# Allegro board RUBUS_20173009.brd (continued)
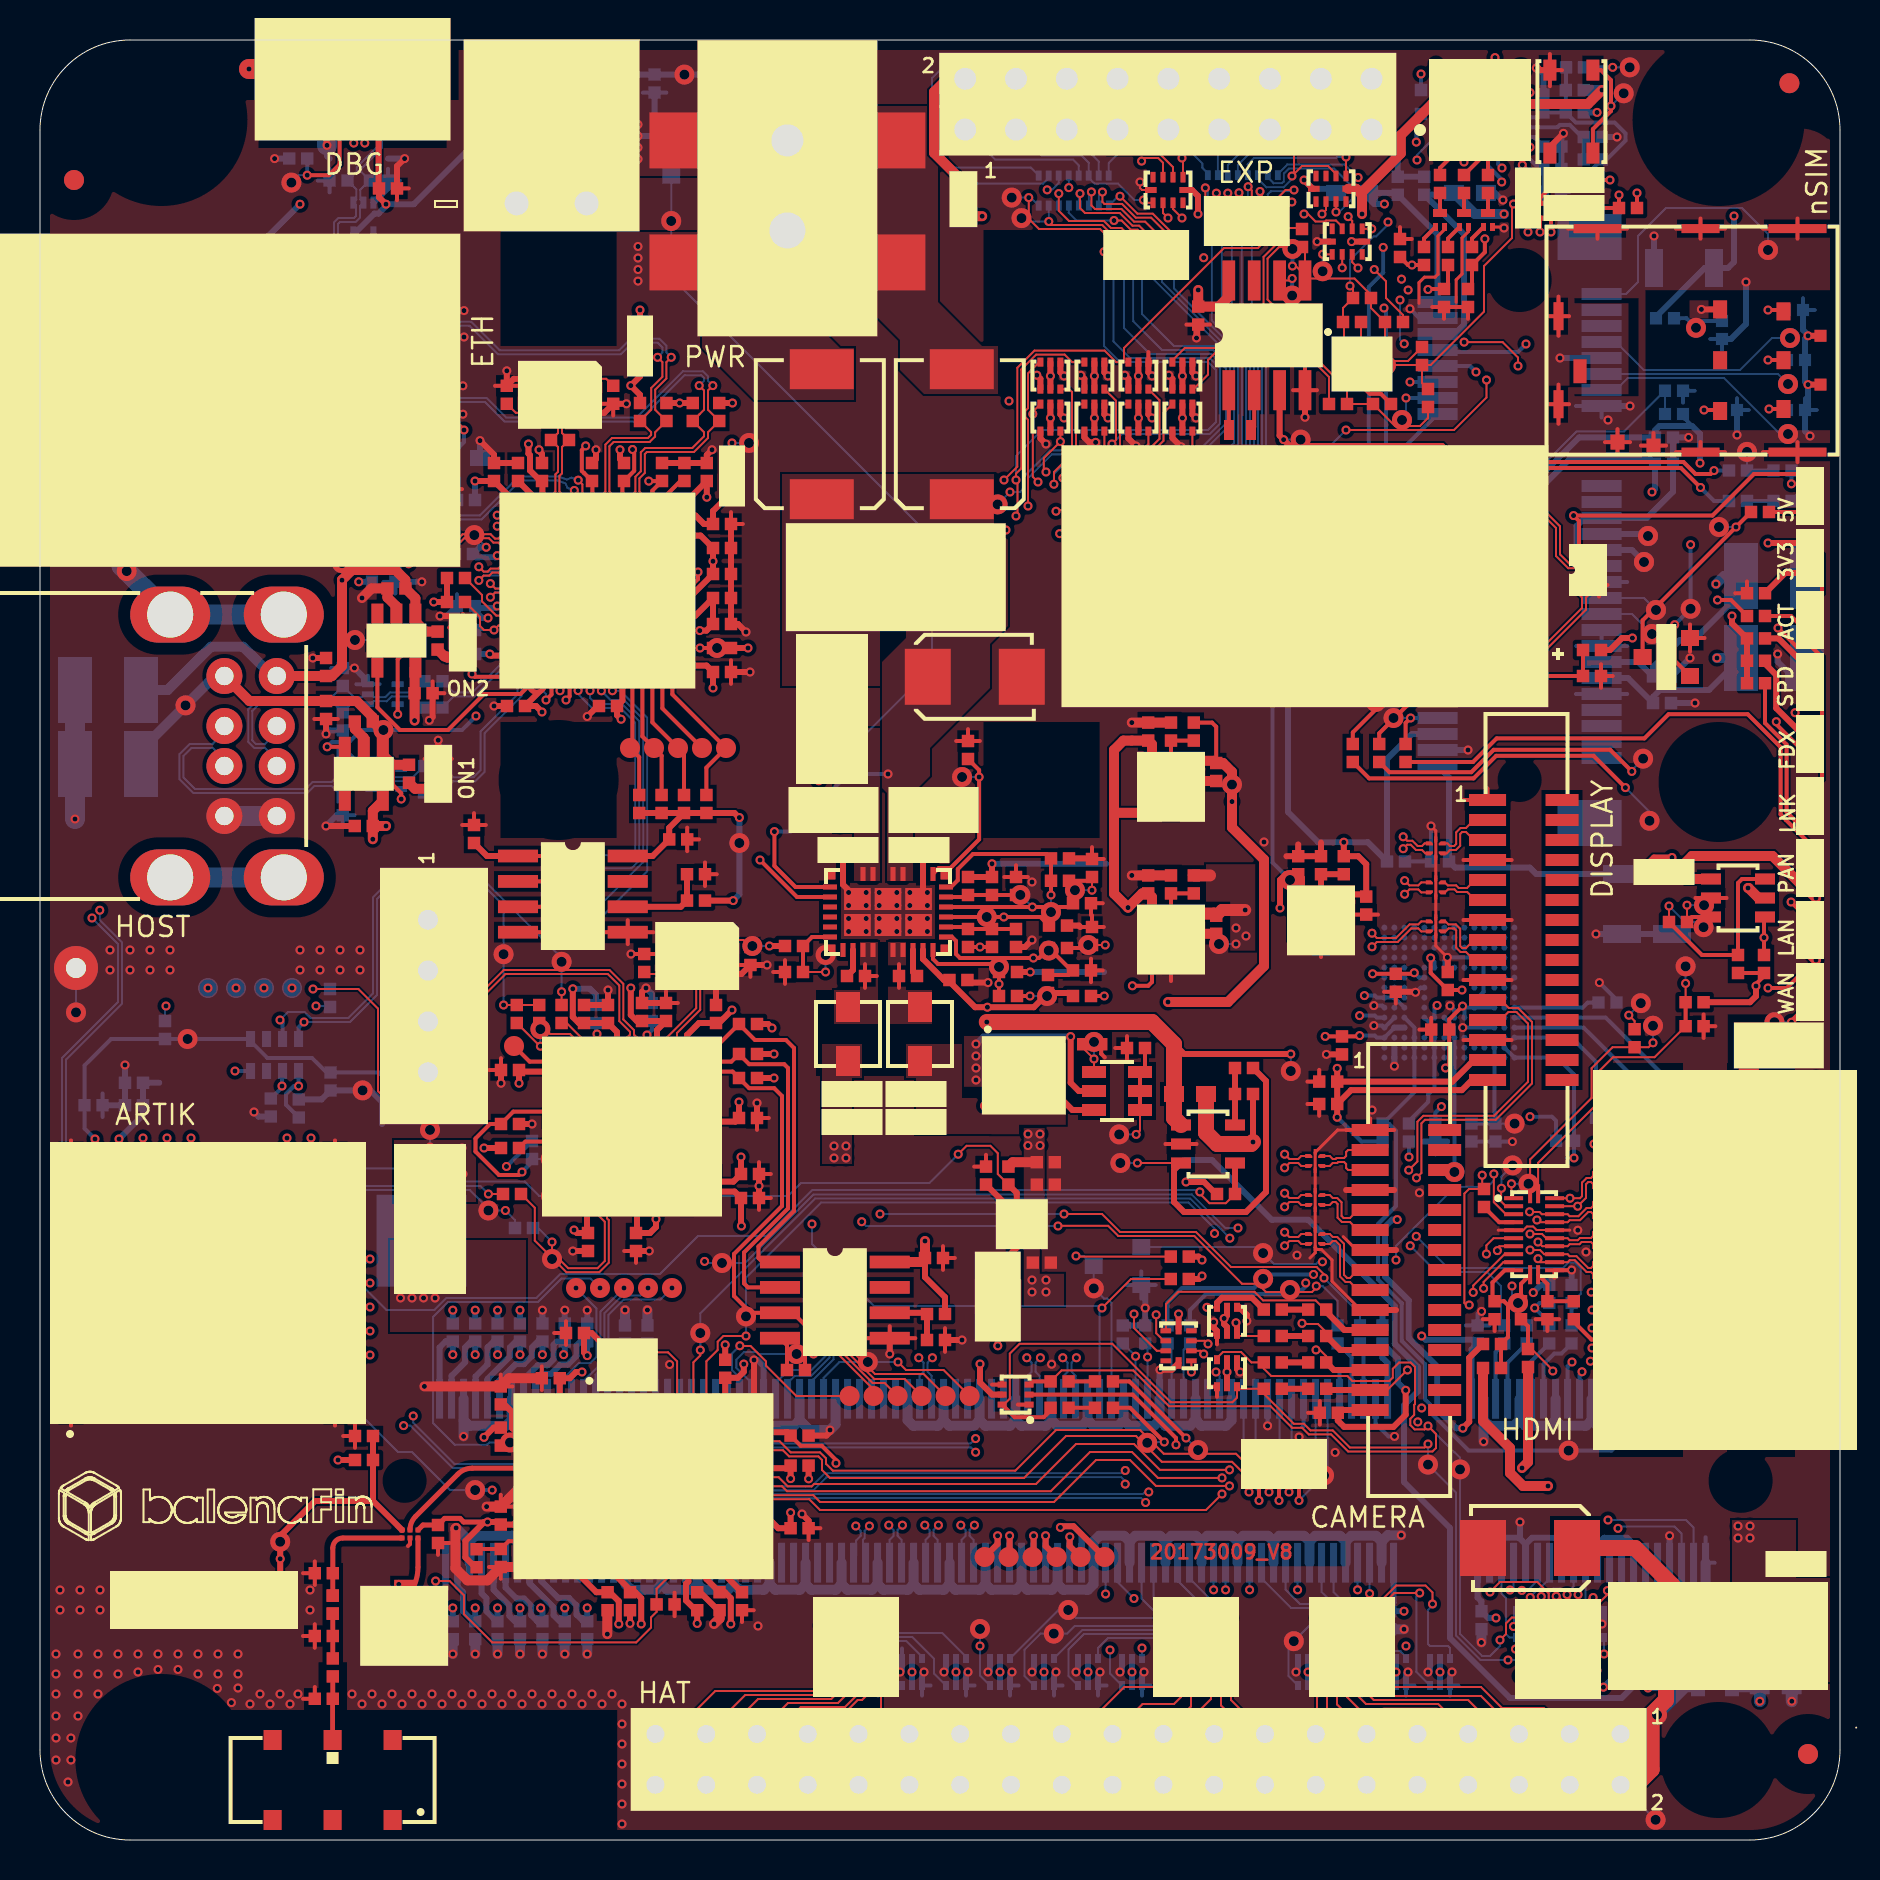
[diagram p0: board, top side]
## Routing (per net, layer and track width the routed paths; a pad name or vN(x,y) marks a point on that pad's centre or on a via; arc(x,y) is an arc through that point) (continued)
  BOTTOM w0.3: 50.7,7.72 50.7,8.3 v1(50.8,8.4) ; v1(20,61.2) 20.35,61.2 C171.1 C187.1 C183.1 ; TVS3.3 16.15,53.55 v1(15.9,53.8) 15.34,54.36 C69.2 ; v1(10.7,36.4) 10.93,36.17 R132.2 ; C156.2 v1(84.85,70.25) ; 77.88,14.79 78.2,15.11 79.36,15.11 79.68,14.79 J2.13 ; 77.88,14.79 J2.19 ; 77.88,14.79 77.56,15.11 76.4,15.11 76.08,14.79 ; v1(86.88,59.3) 86.88,58.92 87.4,58.4 87.4,57.7 ; v1(53,8.4) 52.9,8.3 52.9,7.72 ; 44.1,7.72 44.1,8.3 v1(44.2,8.4) ; C122.1 v1(82.75,56.85) ; v1(55.2,8.4) 55.1,8.3 55.1,7.72 ; v1(65,8.4) 65.1,8.5 DS13.1 ; v1(74.66,27.37) 75.04,27.75 R10.1 ; v1(76.17,85.33) 76.07,85.23 R231.1 R232.1 ; v1(73.67,10.68) 73.8,10.8 DS17.4 ; v1(77.1,10.8) 77,10.7 DS16.1 ; 63.9,7.72 63.9,8.3 v1(64,8.4) ; v1(35.7,24) 35.88,24 36.18,23.7 J2.146 ; C24.2 v1(21.76,26.49) ; DS20.1 49.7,8.5 v1(49.6,8.4) ; v1(47.4,8.4) 47.5,8.5 DS21.4 ; DS23.1 43.1,8.5 v1(43,8.4) ; C209.2 C208.2 v1(77.8,45.3) ; R32.1 30.73,85.94 31.47,85.2 ; C87.2 17.4,82.6 TVS5.3 ; C18.2 v1(25.12,26.49) ; 41.9,7.72 41.9,8.3 v1(42,8.4) ; C136.2 v1(21.2,76.47) ; 68.3,7.72 68.3,8.3 v1(68.4,8.4) ; 14.48,84.07 14.35,84.2 v1(14.35,84.73) ; DS16.4 76,10.9 75.8,10.7 v1(74.9,10.7) 74.9,10.7 74.8,10.6 DS17.1 ; v1(14.3,55.3) 14.48,55.48 C77.2 ; C138.2 v1(21.14,72.71) ; C207.2 v1(80.7,80.2) ; v1(51.8,8.4) 51.9,8.5 DS19.1 ; R140.1 70.36,34.92 ; R140.1 69.77,34.33 ; R140.1 69.18,34.92 ; Q1.2 55.26,27.55 v1(55.26,26.6) R18.1 54.9,25.73 54.9,25.73 54.5,25.73 54.5,25.73 R20.1 ; C85.2 v1(19.09,62.91) ; J2.164 30.78,23.98 ; C22.2 v1(22.88,26.49) ; C116.1 64.6,82.56 63.64,82.56 v1(63.2,83) ; J19.29 J19.27 77.23,63.7 76.83,64.1 76.83,65.7 77.23,66.1 J19.21 80.33,66.1 81.65,67.42 C120.2 C119.2 v1(82.43,70.13) ; R193.1 30.6,42.3 v1(30.3,42.6) ; 74.28,14.79 74.6,15.11 75.76,15.11 76.08,14.79 ; 74.28,14.79 73.96,15.11 ; 74.28,14.79 J2.31 ; C16.2 v1(26.24,26.49) ; C117.2 C118.2 67.89,84.21 J14.17 ; 81.18,23.38 J2.8 ; v1(78.99,7.79) 79.2,8 DS15.4 ; v1(48.6,8.4) 48.5,8.3 48.5,7.72 ; v1(4.25,38.75) C93.2 C92.2 C91.2 ; v1(66.2,8.4) 66.1,8.3 66.1,7.72 ; v1(46.4,8.4) 46.3,8.3 46.3,7.72 ; v1(54,8.4) 54.1,8.5 DS18.4 ; R189.1 84.55,75.05 85.3,75.8 v1(85.3,77.9) ; C20.2 v1(24,26.49) ; Q3.2 31.47,85.2 ; 31.47,85.2 v1(29.9,85.2) ; C68.2 14.84,51.24 v1(14.3,50.7) ; U13.3 v1(16.76,66.56) ; v1(70.46,85.64) U25.6 72.41,85.64 U25.17 ; DS11.4 69.5,8.5 v1(69.4,8.4) ; J2.80 55.98,23.49 v1(56,23.51) ; 17.4,84.07 v1(18.23,84.07) ; DS15.1 78.2,10.9 v1(78.1,10.8) ; C26.2 v1(20.64,26.49) ; R7.1 v1(76.58,28.5) ; v1(82.5,59.1) 81.57,58.17 C121.1 ; v1(73.15,82) 73.1,82 72.75,82.36 C115.1 ; v1(74.82,88.6) 74.9,88.6 75.17,88.33 C204.2 ; v1(40.8,8.4) 40.9,8.5 DS24.1 ; v1(88.5,70.2) 88.25,70.45 C155.2 88.4,71.65 v1(88.4,72.77) 88.25,72.92 C154.2 88.25,75.06 v1(88.4,75.21) 88.4,75.26 88.15,75.51 C153.2 ; C139.2 v1(21.14,71.29) ; 73.96,15.11 72.8,15.11 72.48,14.79 J2.37 ; 73.96,15.11 74,15.15 v1(74,15.9) ; v1(67.2,8.4) 67.3,8.5 DS12.1 ; 70.5,7.72 70.5,8.3 v1(70.6,8.4) ; 76.08,14.79 J2.25 ; C137.2 v1(21.2,75.15) ; TVS4.3 16.19,57.99 16.19,58.12 v1(15.72,58.6) ; U17.N2 U17.N1 v1(67.72,38.69) ; U13.8 v1(18.58,65.02) ; C7.2 67.12,26.46 ; Q6.2 12.21,66.57 R116.1 v1(11.64,66.8) ; DS14.1 62.9,8.5 v1(62.8,8.4) ; R229.1 v1(78.85,85.15) ; R153.1 v1(11.73,84.07) ; J2.7 v1(81.48,15.21) ; J19.9 v1(76,74.1) ; DS22.1 45.3,8.5 v1(45.2,8.4) ; C135.2 v1(22,69.97) ; C14.2 v1(27.36,26.49) ; J19.50 v1(71.4,54.5) ; J19.15 v1(79.5,71.7) ; C170.1 v1(20,64.3)
  BOTTOM w0.5: J2.122 43.38,20.99 43.66,20.71 44.9,20.71 45.18,20.99 ; J2.115 45.48,12.79 ; 45.48,12.79 45.2,12.51 43.96,12.51 43.68,12.79 ; 45.48,12.79 45.76,12.51 47,12.51 47.28,12.79 ; J2.98 50.58,20.99 ; 50.58,20.99 50.3,20.71 49.06,20.71 48.78,20.99 ; 50.58,20.99 50.86,20.71 52.1,20.71 52.38,20.99 ; J2.188 23.58,20.99 ; 23.58,20.99 23.3,20.71 21.46,20.71 21.18,20.99 ; 23.58,20.99 23.86,20.71 25.1,20.71 25.38,20.99 J2.182 ; J2.14 79.38,20.99 79.1,20.71 77.86,20.71 77.58,20.99 ; 38.28,12.79 38,12.51 36.76,12.51 36.48,12.79 ; 38.28,12.79 J2.139 ; 38.28,12.79 38.56,12.51 39.8,12.51 40.08,12.79 ; J2.163 31.08,12.79 ; 31.08,12.79 30.8,12.51 29.56,12.51 29.28,12.79 J2.169 ; 31.08,12.79 31.36,12.51 32.6,12.51 32.88,12.79 ; 72.18,20.99 J2.38 ; 72.18,20.99 v1(72.18,19.92) ; 72.18,20.99 72.46,20.71 73.7,20.71 73.98,20.99 ; C13.1 v1(27.36,9.3) ; 46.98,20.99 47.26,20.71 48.5,20.71 48.78,20.99 ; 46.98,20.99 46.7,20.71 45.46,20.71 45.18,20.99 ; 46.98,20.99 J2.110 ; 41.88,12.79 41.6,12.51 40.36,12.51 40.08,12.79 ; 41.88,12.79 J2.127 ; 41.88,12.79 42.16,12.51 43.4,12.51 43.68,12.79 ; J2.103 49.08,12.79 ; 49.08,12.79 48.8,12.51 47.56,12.51 47.28,12.79 ; 49.08,12.79 49.36,12.51 50.6,12.51 50.88,12.79 ; 61.68,14.93 61.96,15.21 63.2,15.21 63.48,14.93 ; 61.68,14.93 J2.61 ; 61.68,14.93 61.4,15.21 60.16,15.21 59.88,14.93 ; 57.78,20.99 57.74,20.95 57.7,20.95 57.7,20.91 57.5,20.71 56.26,20.71 55.98,20.99 ; 57.78,20.99 J2.74 ; 57.78,20.99 57.82,20.95 57.85,20.95 57.85,20.91 58.06,20.71 59.3,20.71 59.58,20.99 J2.68 ; 59.88,14.93 59.6,15.21 58.36,15.21 58.08,14.93 ; 59.88,14.93 J2.67 ; 37.98,20.99 37.7,20.71 36.46,20.71 36.18,20.99 ; 37.98,20.99 J2.140 ; 37.98,20.99 38.47,20.5 v1(39.5,20.5) 39.78,20.78 J2.134 ; 75.78,20.99 76.06,20.71 77.3,20.71 77.58,20.99 ; 75.78,20.99 75.5,20.71 74.26,20.71 73.98,20.99 ; 75.78,20.99 J2.26 ; 21.48,14.93 v1(20.81,15.61) ; 21.48,14.93 21.76,15.21 23.6,15.21 23.88,14.93 ; 21.48,14.93 J2.195 ; v1(83.4,12.5) 83.28,12.62 J2.1 ; J2.104 48.78,20.99 ; 54.18,20.99 54.46,20.71 55.7,20.71 55.98,20.99 ; 54.18,20.99 53.9,20.71 52.66,20.71 52.38,20.99 ; 54.18,20.99 J2.86 ; 36.18,20.99 35.9,20.71 34.66,20.71 34.38,20.99 J2.152 ; 36.18,20.99 J2.146 ; 34.68,12.79 34.96,12.51 36.2,12.51 36.48,12.79 ; 34.68,12.79 34.4,12.51 33.16,12.51 32.88,12.79 ; 34.68,12.79 J2.151 ; 45.18,20.99 J2.116 ; 43.68,12.79 J2.121 ; 40.08,12.79 J2.133 ; 47.28,12.79 J2.109 ; C15.1 v1(26.24,9.3) ; J2.170 28.98,20.99 29.26,20.71 30.5,20.71 30.78,20.99 J2.164 ; 32.88,12.79 J2.157 ; J2.85 54.48,14.93 ; 54.48,14.93 54.2,15.21 52.96,15.21 52.68,14.93 J2.91 52.68,12.79 52.4,12.51 51.16,12.51 50.88,12.79 ; 54.48,14.93 54.76,15.21 56,15.21 56.28,14.93 ; R28.2 v1(30.37,26.5) ; 67.08,14.93 66.8,15.21 65.56,15.21 65.28,14.93 ; 67.08,14.93 67.39,15.24 v1(68.06,15.24) ; 67.08,14.93 J2.43 ; 21.18,20.99 v1(21.18,20.18) ; 21.18,20.99 J2.196 ; C25.1 v1(20.64,9.3) ; 56.28,14.93 56.56,15.21 57.8,15.21 58.08,14.93 ; 56.28,14.93 J2.79 ; 52.38,20.99 J2.92 ; J2.55 63.48,14.93 ; 63.48,14.93 63.76,15.21 65,15.21 65.28,14.93 ; C1.2 C2.2 81.75,26.1 v1(82.18,26.53) ; 77.58,20.99 J2.20 ; C21.1 v1(22.88,9.3) ; J2.97 50.88,12.79 ; 58.08,14.93 J2.73 ; 73.98,20.99 J2.32 ; 36.48,12.79 J2.145 ; 65.28,14.93 J2.49 ; 55.98,20.99 J2.80 ; 23.88,14.93 24.16,15.21 25.4,15.21 25.68,14.93 J2.181 ; 23.88,14.93 J2.187 ; C4.1 v1(72.07,9.88) ; C23.1 v1(21.76,9.3) ; C6.1 v1(68.2,10.54) ; C17.1 v1(25.12,9.3) ; C19.1 v1(24,9.3) ; R29.2 v1(29.25,26.5)
  BOTTOM w0.6: v1(87.59,6.94) C113.2
  BOTTOM w1: C232.2 C234.2 v1(1.75,51.05) ; C71.1 R96.1 4.08,68.52 3.1,69.5 C134.1 v1(4.7,70.3) ; J11.8 J11.4 ; C89.1 R117.1 v1(14.35,84.73)
  vias: v1(0.8,9.3) v1(0.8,8.3) v1(0.8,7.3) v1(0.8,6.2) v1(0.8,5.1) v1(0.8,4) v1(1,12.5) v1(1,11.5) v1(1.4,2.9) v1(1.55,5.1) v1(1.55,4) v1(1.9,9.3) v1(1.9,8.3) v1(1.9,7.3) v1(1.9,6.2) v1(2,12.5) v1(2,11.5) v1(2.9,9.3) v1(2.9,8.3) v1(2.9,7.3) v1(3,12.5) v1(3,11.5) v1(3.5,44.5) v1(3.5,43.5) v1(3.9,9.3) v1(3.9,8.3) v1(4.5,44.5) v1(4.5,43.5) v1(4.9,9.3) v1(4.9,8.4) v1(5.5,44.5) v1(5.5,43.5) v1(5.9,9.3) v1(5.9,8.53) v1(6,12.5) v1(6,11.5) v1(6.5,44.5) v1(6.5,43.5) v1(6.9,9.3) v1(6.9,8.53) v1(7,12.5) v1(7,11.5) v1(7.9,9.3) v1(7.9,8.3) v1(8,12.5) v1(8,11.5) v1(8.9,9.3) v1(8.9,8.3) v1(8.86,7.58) v1(9,12.5) v1(9,11.5) v1(9.57,6.87) v1(9.9,9.3) v1(9.9,8.3) v1(9.9,7.6) v1(10.5,12.5) v1(10.5,11.5) v1(10.5,6.8) v1(11,7.3) v1(11.5,6.8) v1(12,7.3) v1(12.5,6.8) v1(12.9,7.3) v1(13,44.5) v1(13,43.5) v1(13.5,12.5) v1(13.5,11.5) v1(14,44.5) v1(14,43.5) v1(15,44.5) v1(15,43.5) v1(15.6,7.3) v1(16,44.5) v1(16,43.5) v1(16.1,6.8) v1(16.6,7.3) v1(17.1,6.8) v1(17.6,7.3) v1(18.1,6.8) v1(18.6,7.3) v1(19.1,6.8) v1(19.6,7.3) v1(20.1,6.8) v1(20.6,7.3) v1(21.1,6.8) v1(21.6,7.3) v1(22.1,6.8) v1(22.6,7.3) v1(23.1,6.8) v1(23.6,7.3) v1(24.1,6.8) v1(24.3,20.6) v1(24.45,65.89) v1(24.45,64.52) v1(24.45,63.15) v1(24.45,61.79) v1(24.45,60.42) v1(24.45,59.05) v1(24.6,7.3) v1(25.1,6.8) v1(25.6,7.3) v1(25.82,65.89) v1(25.82,64.52) v1(25.82,63.15) v1(25.82,61.79) v1(25.82,60.42) v1(25.82,59.05) v1(26.1,6.8) v1(26.6,7.3) v1(27.1,6.8) v1(27.19,65.89) v1(27.19,64.52) v1(27.19,63.15) v1(27.19,61.79) v1(27.19,60.42) v1(27.19,59.05) v1(27.3,19.2) v1(27.3,18.2) v1(27.3,17.2) v1(27.3,16.2) v1(27.6,7.3) v1(28.1,6.8) v1(28.55,65.89) v1(28.55,64.52) v1(28.55,60.42) v1(28.55,59.05) v1(28.6,7.3) v1(29.1,6.8) v1(29.1,5.8) v1(29.1,4.8) v1(29.1,3.8) v1(29.1,2.8) v1(29.1,1.8) v1(29.1,0.8) v1(29.7,19.2) v1(29.7,18.2) v1(29.7,17.2) v1(29.7,16.2) v1(29.9,85.78) v1(29.9,84.62) v1(29.9,84.05) v1(29.9,79.68) v1(29.9,79.1) v1(29.9,78.52) v1(29.9,77.95) v1(29.92,65.89) v1(29.92,64.52) v1(29.92,63.15) v1(29.92,61.79) v1(29.92,59.05) v1(30.7,19.2) v1(30.7,18.2) v1(30.7,17.2) v1(31.29,65.89) v1(31.29,64.52) v1(31.29,63.15) v1(31.29,61.79) v1(31.29,60.42) v1(31.29,59.05) v1(31.48,23.77) v1(33,19.2) v1(33,18.2) v1(33,16.2) v1(35.9,10.7) v1(40.43,47.38) v1(40.43,46.73) v1(40.43,46.08) v1(40.43,45.42) v1(41.31,47.38) v1(41.31,46.73) v1(41.31,46.08) v1(41.31,45.42) v1(41.96,47.38) v1(41.96,46.73) v1(41.96,46.08) v1(41.96,45.42) v1(42.84,47.38) v1(42.84,46.73) v1(42.84,46.08) v1(42.84,45.42) v1(43.49,47.38) v1(43.49,46.73) v1(43.49,46.08) v1(43.49,45.42) v1(44.37,47.38) v1(44.37,46.73) v1(44.37,46.08) v1(44.37,45.42) v1(49.6,47.9) v1(50.58,23.79) v1(61.2,49.9) v1(62.85,29.24) v1(64.75,19.38) v1(66.6,36.5) v1(68.97,32.36) v1(72.08,26.43) v1(76.89,30.49) v1(77.3,29.4) v1(78.4,71) v1(88.75,33.5) v1(88.75,23.95) v3(26.98,38.29) v3(26.98,36.54) v3(26.98,34.8) v3(26.98,33.05) v3(28.73,38.29) v3(28.73,34.8) v3(28.73,33.05) v3(30.47,38.29) v3(30.47,36.54) v3(30.47,33.05) v3(32.22,38.29) v3(32.22,36.54) v3(32.22,34.8)
VDDM: length 6
  BOTTOM w0.1: v2(73.73,35.82) C107.2
  BOTTOM w0.2: C108.2 C107.2 72.77,36.36 72.72,36.41 U17.C1 U17.C2
VIN_CON: length 2.6
  BOTTOM w0.1: J21.1 v2(27.33,84.4)
+VALIM: length 11.8
  TOP w0.2: v1(36.72,50.42) 36.72,48.7 37.77,47.65 U27.11
  BOTTOM w0.2: v1(36.72,50.42) 37.52,50.42 v2(38.67,51.57) 40.4,53.3 v1(42.4,53.3)
ARTIK-RX_FTDI-TX: length 64.1
  TOP w0.1: v1(64.2,28.1) 64.2,28.28 63.83,28.65 59.55,28.65 57.8,30.4 54,30.4 53.1,31.3 v1(51.2,31.3) ; MOD2.23 v1(11.15,31.95)
  INT1 w0.1: v1(23.27,31.48) 23.27,30.93 26.2,28 37.48,28 39.88,30.4 41.1,30.4 v1(42,31.3)
  BOTTOM w0.1: v1(11.15,31.95) 11.7,32.5 21.49,32.5 22.42,31.57 v2(22.42,31.48) v1(23.27,31.48) 23.75,31 R291.2 ; v1(42,31.3) v1(51.2,31.3) ; v1(64.2,28.1) 66,26.3 R14.2
ARTIK-TX_FTDI-RX: length 64.8
  TOP w0.1: MOD2.24 v1(9.95,31.95) ; v1(63.81,27.7) 63.81,27.61 63.6,27.4 61.3,27.4 60.89,27.81 60.11,27.81 57.72,30.2 53.92,30.2 53.41,30.71 50.91,30.71 v1(50.9,30.7) ; R238.2 v1(22.42,32.3)
  INT1 w0.1: v1(22.42,32.3) 23.1,32.3 23.65,31.75 23.65,30.84 26.28,28.2 37.4,28.2 40.1,30.9 41.07,30.9 v1(41.08,30.92)
  BOTTOM w0.1: v1(63.81,27.7) 64.13,27.7 64.88,26.95 R15.2 ; v1(9.95,31.95) v2(9.95,32.8) 10.05,32.7 22.02,32.7 v1(22.42,32.3) ; v1(41.08,30.92) 41.3,30.7 v1(50.9,30.7)
BT_PCM_CLK: length 59.8
  TOP w0.1: v1(35.3,25.2) 34.17,25.2 33.88,24.92 33.88,24.5 33.32,23.94 MOD1.C1
  INT2 w0.1: v1(58.73,30.33) 58.73,30.53 61.3,33.1 67.68,33.1 68.5,32.28 68.5,30.5 v1(68.81,30.18)
  BOTTOM w0.1: v1(58.73,30.33) 58.73,30.57 57.42,31.88 39.06,31.88 35.3,28.12 v2(35.3,26.18) v1(35.3,25.2) ; R7.2 77.04,27.31 77.04,28.57 76.74,28.88 76.42,28.88 76.15,28.6 70.4,28.6 v1(68.81,30.18)
  BOTTOM w0.2: R8.2 R7.2
BT_PCM_IN: length 55.8
  TOP w0.1: v1(33.02,24.5) 33.02,24.23 32.67,23.88 32.67,21.54 MOD1.D1
  INT2 w0.1: v1(68.51,29.71) 68.3,29.92 68.3,32.2 67.6,32.9 61.38,32.9 59.49,31.01 v1(59.49,30.09)
  BOTTOM w0.1: v1(59.49,30.09) 57.51,32.08 38.76,32.08 33.02,26.33 v2(33.02,25.35) v1(33.02,24.5) ; v1(68.51,29.71) 69.82,28.4 72.35,28.4 73.05,27.7 73.05,27.18 73.05,25.9 R12.2
BT_PCM_OUT: length 58.4
  TOP w0.1: MOD1.C2 33.32,20.24 v1(32.89,19.82)
  INT1 w0.1: v1(73.6,27.7) 73.6,26.83 68.7,21.93 68.7,21.09 v1(68.89,20.9)
  INT2 w0.1: v1(32.89,19.82) 32.89,20.69 33.1,20.9 36.5,20.9 39.3,18.1 39.3,15.91 41.98,13.22 52.05,13.22 52.53,13.7 64.85,13.7 68.7,17.55 68.7,20.6 68.89,20.79 v1(68.89,20.9)
  BOTTOM w0.1: v1(73.6,27.7) 73.6,27.15 v2(73.9,26.85) 73.9,26.17 R11.2
BT_PCM_SYNC: length 59.2
  TOP w0.1: v1(31.91,19.82) 32.22,19.82 32.42,20.02 MOD1.D2
  INT1 w0.1: v1(69.08,21.6) 69.08,22.03 73.65,26.6 v1(74.74,26.6)
  INT2 w0.1: v1(31.91,19.82) 31.91,20.82 32.2,21.1 36.58,21.1 39.5,18.18 39.5,15.99 42.07,13.42 51.97,13.42 52.44,13.9 64.77,13.9 68.5,17.63 68.5,21.2 68.9,21.6 v1(69.08,21.6)
  BOTTOM w0.2: R9.2 75.46,25.88 v1(74.74,26.6) 74.99,26.85 R10.2
CAM1_CK+_EXT: length 4.4
  TOP w0.1: J10.9 65.9,27.5 65.5,27.9 65.28,27.9 65,28.18 65,29.73 64.78,29.95 64.64,29.95 64.49,29.8 L13.1
CAM1_CK-_EXT: length 4.4
  TOP w0.1: J10.8 65.9,28.5 65.5,28.1 65.36,28.1 65.2,28.26 65.2,29.81 64.86,30.15 64.64,30.15 64.49,30.3 L13.2
CAM1_CN: length 41.6
  TOP w0.1: v1(62.23,30.39) 62.47,30.15 62.91,30.15 63.06,30.3 L13.3
  INT1 w0.1: v1(62.23,30.39) 61.99,30.15 61.77,30.15 61.55,29.93 61.55,28.6 62.15,28 62.15,22.93 56.42,17.2 55.64,17.2 v1(55.44,17.4)
  BOTTOM w0.1: v1(55.44,17.4) 55.24,17.4 55.14,17.3 38.77,17.3 38.75,17.28 36.54,17.28 35.48,16.22 35.48,15.21 35.28,15.01 J2.149
CAM1_CP: length 41.2
  TOP w0.1: v1(62.23,29.71) 62.47,29.95 62.91,29.95 63.06,29.8 L13.4
  INT1 w0.1: v1(62.23,29.71) 61.99,29.95 61.85,29.95 61.75,29.85 61.75,28.68 62.35,28.08 62.35,22.85 56.5,17 55.41,17 v1(55.28,16.88)
  BOTTOM w0.1: J2.147 35.88,15.01 35.68,15.21 35.68,16.14 36.62,17.08 38.83,17.08 38.85,17.1 55.05,17.1 v1(55.28,16.88)
CAM1_D0+_EXT: length 2.8
  TOP w0.1: L11.1 64.49,33.7 64.64,33.85 64.86,33.85 64.91,33.9 65.21,33.9 65.31,33.8 65.31,33.6 65.41,33.5 J10.3
CAM1_D0-_EXT: length 2.8
  TOP w0.1: J10.2 65.41,34.5 65.31,34.4 65.31,34.2 65.21,34.1 64.83,34.1 64.78,34.05 64.64,34.05 64.49,34.2 L11.2
CAM1_D1+_EXT: length 3.5
  TOP w0.1: L12.1 64.49,31.75 64.64,31.9 64.78,31.9 64.88,31.8 64.88,31.12 65.1,30.9 65.5,30.9 65.9,30.5 J10.6
CAM1_D1-_EXT: length 3.5
  TOP w0.1: L12.2 64.49,32.25 64.64,32.1 64.86,32.1 65.08,31.88 65.08,31.2 65.18,31.1 65.5,31.1 65.9,31.5 J10.5
CAM1_DN0: length 45.4
  TOP w0.1: L11.3 63.06,34.2 62.91,34.05 62.47,34.05 v1(62.23,34.29)
  INT1 w0.1: v1(62.23,34.29) 61.99,34.05 61.07,34.05 53.8,26.78 53.8,25.4 53.4,25 53.4,22.22 51.56,20.38 47.49,20.38 47.18,20.07 v1(46.78,20.07)
  BOTTOM w0.1: v1(46.78,20.07) 46.54,19.83 34.53,19.83 33.52,18.82 32.24,18.82 31.88,18.46 31.88,15.21 31.68,15.01 J2.161
CAM1_DN1: length 45.2
  TOP w0.1: v1(62.23,32.34) 62.47,32.1 62.91,32.1 63.06,32.25 L12.3
  INT1 w0.1: v1(54.26,18.48) 54.54,18.2 56.46,18.2 61.3,23.04 61.3,27.62 60.6,28.32 60.6,31.5 61.2,32.1 61.99,32.1 v1(62.23,32.34)
  BOTTOM w0.1: v1(54.26,18.48) 54.13,18.34 39.24,18.34 38.59,17.68 38.27,17.68 38.27,17.68 35.12,17.68 33.68,16.24 33.68,15.21 33.48,15.01 J2.155
CAM1_DP0: length 45.3
  TOP w0.1: L11.4 63.06,33.7 62.91,33.85 62.47,33.85 v1(62.23,33.61)
  INT1 w0.1: v1(62.23,33.61) 61.99,33.85 61.15,33.85 54,26.7 54,25.32 53.6,24.92 53.6,22.14 51.64,20.18 47.57,20.18 v1(46.78,19.39)
  BOTTOM w0.1: J2.159 32.28,15.01 32.08,15.21 32.08,18.38 32.33,18.62 33.61,18.62 34.61,19.63 46.54,19.63 v1(46.78,19.39)
CAM1_DP1: length 45
  TOP w0.1: L12.4 63.06,31.75 62.91,31.9 62.47,31.9 v1(62.23,31.66)
  INT1 w0.1: v1(54.26,17.8) 54.47,18 56.54,18 61.5,22.96 61.5,27.7 60.8,28.4 60.8,31.42 61.28,31.9 61.99,31.9 v1(62.23,31.66)
  BOTTOM w0.1: v1(54.26,17.8) 54.26,17.95 54.07,18.14 39.33,18.14 38.67,17.48 35.2,17.48 33.88,16.16 33.88,15.21 34.08,15.01 J2.153
CAM1_IO0: length 10.3
  TOP w0.1: v1(58.35,26.64) DS4.3
  TOP w0.3: R82.2 60.6,27.11 59.1,27.11 58.85,26.86 DS4.3
  INT1 w0.1: v1(58.35,26.64) 58.35,26.55 57.2,25.4 56.63,25.4 v1(55.38,24.15)
  BOTTOM w0.1: R18.2 55.38,24.71 v1(55.38,24.15) J2.82
CAM1_IO0_EXT: length 12.7
  TOP w0.1: R81.1 64.24,26.52 63.78,26.98 61.15,26.98 60.72,27.41 56.91,27.41 56.3,26.8 56.3,25.47 TVS2.1
  TOP w0.3: J10.11 65.22,25.5 64.31,26.41 R81.1
CAM1_IO1: length 11.1
  TOP w0.1: R84.2 59.94,25.2 DS4.6
  TOP w0.3: DS4.6 59.85,25.75 59.8,25.8 v1(59.8,25.86)
  INT1 w0.1: v1(59.8,25.86) 59.8,25.8 59.5,25.5 57.7,25.5 57.3,25.1 56.86,25.1 55.54,23.77 55.22,23.77 54.81,24.19 v1(54.78,24.19)
  BOTTOM w0.1: J2.84 v1(54.78,24.19) R20.2
CAM1_IO1_EXT: length 14.5
  TOP w0.1: v1(55.81,26.26) 55.81,25.34 56.19,24.96 TVS2.2 ; R83.1 64.31,25.39 63.9,25.8 63.1,25.8 v1(63.1,25.84)
  TOP w0.3: R83.1 65.01,24.5 J10.12
  INT2 w0.1: v1(55.81,26.26) 55.89,26.26 56.8,27.18 62.74,27.18 63.1,26.82 v1(63.1,25.84)
CAM1_SCL_EXT: length 18.1
  TOP w0.1: TVS2.3 55.84,24.46 54.7,25.6 v1(54.7,26.3) ; R85.1 64.31,24.19 64,24.5 63.8,24.5 v1(63.8,24.5)
  TOP w0.3: J10.13 64.69,23.5 R85.1
  INT2 w0.1: v1(54.7,26.3) 54.7,26.6 55.48,27.38 62.83,27.38 63.8,26.4 v1(63.8,24.5)
CAM1_SDA_EXT: length 27.1
  TOP w0.1: J10.14 67.36,22.5 68.36,23.5 v1(68.38,23.5) ; TVS2.6 v1(57.57,23.4)
  TOP w0.3: R87.1 64.37,22.5 J10.14
  INT2 w0.1: v1(57.57,23.4) 56.7,23.4 54.33,25.77 54.33,26.51 55.52,27.7 62.9,27.7 63.8,26.8 66.5,26.8 68.38,24.93 v1(68.38,23.5)
D+_DBG: length 11.9
  TOP w0.1: v1(15.69,84.85) 15.78,84.94 15.78,85.72 J13.3
  BOTTOM w0.1: R115.2 14.9,79.67 14.9,80.8 15,80.9 15.78,80.9 16,81.12 16,81.7 TVS5.2 16.01,82.03 16.01,82.51 16.47,82.97 C87.1 16.06,83.41 16.06,83.56 17.01,84.51 17.01,84.53 17.1,84.62 17.1,85.58 16.78,85.9 16.2,85.9 15.85,85.55 15.85,85.01 v1(15.69,84.85)
D+_HOST1: length 17.2
  BOTTOM w0.1: J11.3 9.22,54.02 8.64,54.6 7.57,54.6 7.17,54.2 7.17,53.13 7.75,52.55 13.28,52.55 13.63,52.9 14.58,52.9 C69.1 15.7,52.9 16.27,52.9 16.42,53.05 TVS3.2 16.72,53.05 16.87,52.9 17.37,52.9 17.61,53.14 18.64,53.14 R91.2
D+_HOST2: length 13.7
  BOTTOM w0.1: R109.2 18.66,57.38 17.5,57.38 17.26,57.14 16.69,57.14 16.54,57.29 TVS4.2 16.25,57.29 16.1,57.14 15.7,57.14 C78.1 14.58,57.14 11.02,57.14 10.41,56.53 10.41,54.91 10.72,54.6 11.26,54.6 11.84,54.02 J11.7
D-_DBG: length 11.2
  TOP w0.1: v1(16.24,84.85) 16.13,84.96 16.13,85.72 J13.2
  BOTTOM w0.1: v1(16.24,84.85) 16.05,85.04 16.05,85.47 16.28,85.7 16.7,85.7 16.9,85.5 16.9,84.7 15.84,83.64 15.84,83.43 C86.1 15.81,82.54 15.81,82.01 TVS5.1 15.8,81.74 15.8,81.2 15.7,81.1 14.92,81.1 14.7,80.88 14.7,79.67 R114.2
D-_HOST1: length 17.8
  BOTTOM w0.1: J11.2 9.22,55.39 8.63,54.8 7.49,54.8 6.97,54.28 6.97,53.05 7.67,52.35 13.36,52.35 13.71,52.7 14.58,52.7 C68.1 15.7,52.7 16.27,52.7 16.42,52.55 TVS3.1 16.72,52.55 16.87,52.7 17.45,52.7 17.69,52.94 18.64,52.94 R92.2
D-_HOST2: length 13.1
  BOTTOM w0.1: R108.2 18.66,57.18 17.58,57.18 17.34,56.94 16.69,56.94 16.54,56.79 TVS4.1 16.25,56.79 16.1,56.94 15.7,56.94 C77.1 14.58,56.94 11.1,56.94 10.61,56.45 10.61,54.99 10.8,54.8 11.25,54.8 11.84,55.39 J11.6
DBG_UP-RX_DEV-TX: length 125.9
  TOP w0.1: RR3.5 v1(60.59,80.81) ; DS26.6 55.98,71.99 55.98,70.06 52.82,66.91 v1(52.59,66.91)
  TOP w0.2: MOD2.6 v1(7.55,23.8)
  INT2 w0.1: v1(52.59,66.91) 52.59,66.68 51.98,66.06 50.94,66.06 38.1,53.22 38.1,32.69 37.1,31.69 37.1,22.95 36.05,21.9 27.95,21.9 26.25,20.2 26.25,17 23.15,13.9 13.6,13.9 7.55,19.95 v1(7.55,23.8)
  BOTTOM w0.1: v1(60.59,80.81) 60.59,75.1 61.3,74.39 61.3,69.19 58.11,66 53.5,66 v1(52.59,66.91) ; v1(7.55,23.8) v2(7.55,25.27)
DBG_UP-RX_DEV-TX_EXT: length 15.5
  TOP w0.1: TVS18.1 v1(65.3,84.15)
  INT2 w0.1: v1(65.3,84.15) 65.13,84.32 61,84.32 60.16,85.16 60.16,86.86 J14.12
  BOTTOM w0.1: RR2.13 60.39,83.79 60.7,84.1 64.8,84.1 64.85,84.15 v1(65.3,84.15)
DBG_UP-TX_DEV-RX: length 120.6
  TOP w0.1: 54.2,73.89 53.81,73.89 53.23,74.47 49.72,74.47 48.87,73.61 48.87,68.67 v1(48.2,68) ; 54.2,73.89 DS26.3 ; 54.2,73.89 54.2,74.6 59.2,79.6 60.9,79.6 61.09,79.79 RR3.6
  TOP w0.2: MOD2.5 v1(6.35,23.8)
  INT1 w0.1: v1(50.98,65.32) 49.08,65.32 48.12,66.28 48.12,67.92 v1(48.2,68)
  INT2 w0.1: v1(50.98,65.32) 50.97,65.3 50.46,65.3 38.3,53.14 38.3,32.6 37.3,31.6 37.3,22.87 36.13,21.7 28.03,21.7 26.45,20.12 26.45,16.92 23.23,13.7 13.52,13.7 6.35,20.87 v1(6.35,23.8)
  BOTTOM w0.1: v2(6.35,22.95) v1(6.35,23.8)
DBG_UP-TX_DEV-RX_EXT: length 10.3
  TOP w0.1: TVS18.2 64.8,83.3 64.4,83.7 63.1,83.7 62.7,83.3 ; 62.7,83.3 62.7,86.86 J14.14 ; 62.7,83.3 v1(62.6,83.2)
  BOTTOM w0.1: RR2.14 60.89,83.07 61.32,82.64 62.19,82.64 62.6,83.05 v1(62.6,83.2)
DISP_CLK+_EXT: length 2.5
  TOP w0.1: J3.6 71.76,47 71.36,47.4 70.86,47.4 70.73,47.53 70.4,47.53 70.25,47.38 L3.3
DISP_CLK-_EXT: length 2.5
  TOP w0.1: J3.5 71.75,48 71.35,47.6 70.94,47.6 70.81,47.73 70.39,47.73 70.24,47.88 L3.4
DISP_D0+_EXT: length 3.5
  TOP w0.1: J3.9 71.7,44 71.3,44.4 71.03,44.4 70.81,44.62 70.81,45.48 70.71,45.58 70.43,45.58 70.28,45.43 L4.3
DISP_D0-_EXT: length 3.5
  TOP w0.1: L4.4 70.27,45.93 70.42,45.78 70.79,45.78 71.01,45.56 71.01,44.7 71.11,44.6 71.3,44.6 71.7,45 J3.8
DISP_D1+_EXT: length 3.2
  TOP w0.1: L2.3 70.33,49.33 70.5,49.5 70.79,49.5 71.01,49.72 71.01,50.3 71.11,50.4 71.3,50.4 71.7,50 J3.3
DISP_D1-_EXT: length 3.2
  TOP w0.1: L2.4 70.37,49.83 70.5,49.7 70.71,49.7 70.81,49.8 70.81,50.38 71.03,50.6 71.3,50.6 71.7,51 J3.2
DSI1_CN: length 35.8
  TOP w0.1: v1(68.23,47.97) 68.47,47.73 68.91,47.73 69.06,47.88 L3.1
  INT1 w0.1: v1(49.34,24.11) 49.58,24.35 49.58,25.66 55.6,31.68 55.6,36.08 67.25,47.73 67.99,47.73 v1(68.23,47.97)
  BOTTOM w0.1: v1(49.34,24.11) 49.58,23.87 49.58,23.41 49.38,23.21 J2.102
DSI1_CP: length 35.4
  TOP w0.1: v1(68.23,47.29) 68.47,47.53 68.91,47.53 69.06,47.38 L3.2
  INT1 w0.1: v1(50.02,24.11) 49.78,24.35 49.78,25.58 55.8,31.6 55.8,36 67.33,47.53 67.99,47.53 v1(68.23,47.29)
  BOTTOM w0.1: J2.100 49.98,23.21 49.78,23.41 49.78,23.87 v1(50.02,24.11)
DSI1_DN0: length 33.4
  TOP w0.1: v1(66.6,45.34) 66.84,45.1 67.8,45.1 68.48,45.78 68.91,45.78 69.06,45.93 L4.1
  INT1 w0.1: v1(51.14,24.11) 51.38,24.35 51.38,26.58 56.3,31.5 56.3,35.37 66.03,45.1 66.36,45.1 v1(66.6,45.34)
  BOTTOM w0.1: J2.96 51.18,23.21 51.38,23.41 51.38,23.87 v1(51.14,24.11)
DSI1_DN1: length 41.7
  TOP w0.1: L2.1 69.23,49.83 69.1,49.7 68.88,49.7 68.62,49.96 68.36,49.96 v1(68.16,50.16)
  INT1 w0.1: v1(43.94,24.11) 44.18,24.35 44.18,28.28 47.58,31.68 49.89,31.68 66.1,47.89 66.1,48.98 67.02,49.9 67.9,49.9 v1(68.16,50.16)
  BOTTOM w0.1: J2.120 43.98,23.21 44.18,23.41 44.18,23.87 v1(43.94,24.11)
DSI1_DP0: length 33
  TOP w0.1: L4.2 69.06,45.43 68.91,45.58 68.56,45.58 67.88,44.9 66.84,44.9 v1(66.6,44.66)
  INT1 w0.1: v1(66.6,44.66) 66.36,44.9 66.11,44.9 56.5,35.29 56.5,31.42 51.58,26.5 51.58,24.35 v1(51.82,24.11)
  BOTTOM w0.1: v1(51.82,24.11) 51.58,23.87 51.58,23.41 51.78,23.21 J2.94
DSI1_DP1: length 41.4
  TOP w0.1: L2.2 69.27,49.33 69.1,49.5 68.8,49.5 68.54,49.76 68.36,49.76 v1(68.16,49.56)
  INT1 w0.1: v1(44.62,24.11) 44.38,24.35 44.38,28.2 47.66,31.48 49.97,31.48 66.3,47.81 66.3,48.9 67.1,49.7 68.02,49.7 v1(68.16,49.56)
  BOTTOM w0.1: v1(44.62,24.11) 44.38,23.87 44.38,23.41 44.58,23.21 J2.118
EE_CLK: length 17.4
  TOP w0.2: v1(26.91,57.47) 27.12,57.69 U22.23 ; U19.2 v1(25.5,47.93)
  BOTTOM w0.1: v1(26.91,57.47) 26.91,57.3 27.6,56.6 29.02,56.6 29.76,55.86 29.76,49.34 29.66,49.24 27.06,49.24 v2(26.22,48.39) 25.75,47.93 v1(25.5,47.93)
EE_CLK_FTDI: length 17.9
  TOP w0.2: U21.2 35.4,27.63 35.2,27.83 35.2,29.38 37.4,31.58 37.4,38.6 37.21,38.79 35.46,38.79 34.95,39.3 R196.2 34.57,38.92 U8.56
